# KiCad board DFTBoard.kicad_pcb (continued)
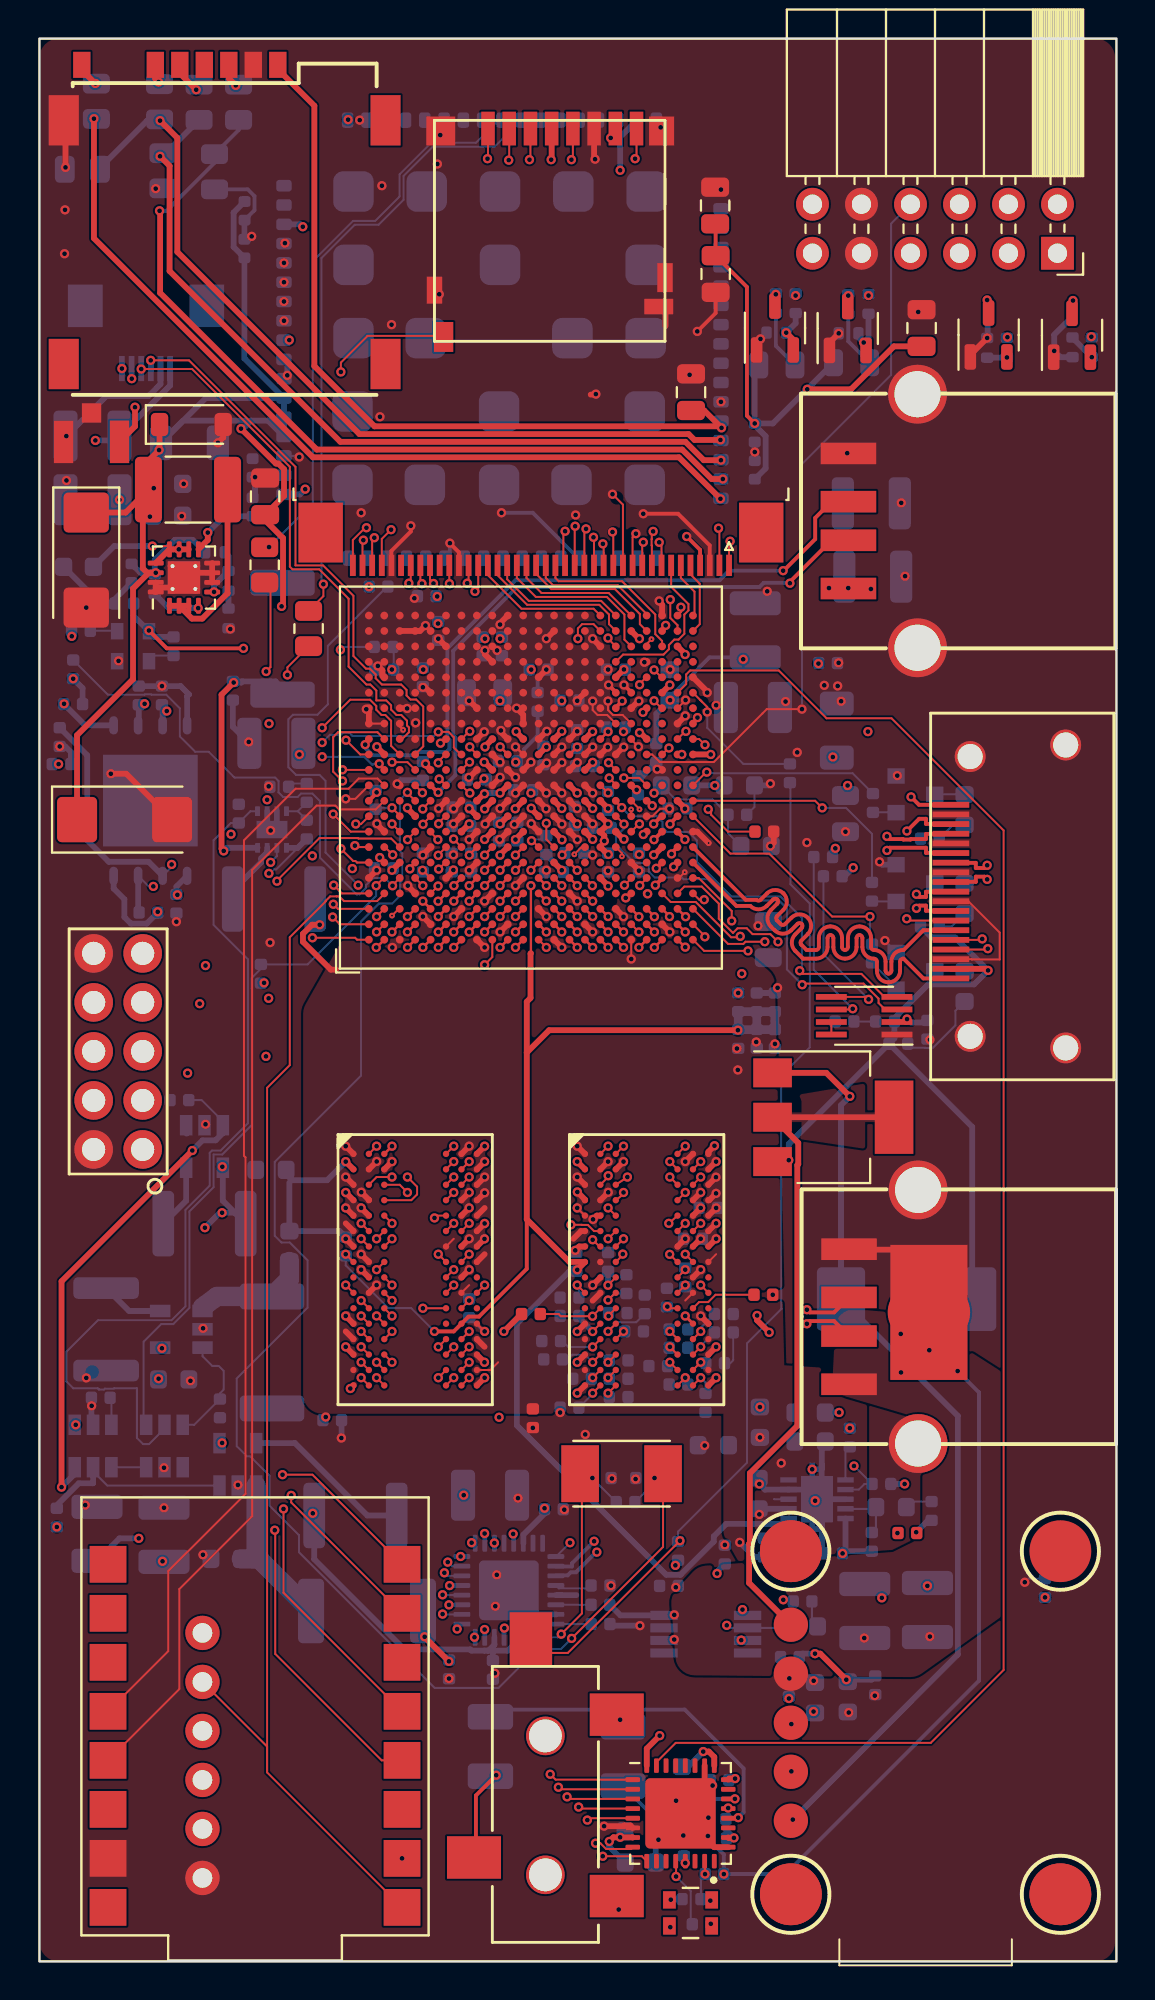
[diagram p0: board, top side]
## Routing (per net, layer and track width the routed paths; a pad name or vN(x,y) marks a point on that pad's centre or on a via; arc(x,y) is an arc through that point) (continued)
DDR3_A7: length 51.4
  TOP_GND w0.102: U16.R2 v1(16.68,31.05) ; 29.08,30.65 v1(28.68,30.25)
  TOP_GND w0.13: U20.J6 v1(23.08,56.55)
  SIGNAL2 w0.102: v1(28.68,30.25) 28.28,29.85 27.44,29.85 27.41,29.85 27.37,29.87 27.34,29.89 27.31,29.91 27.29,29.95 27.28,29.98 27.27,30.06 27.26,30.09 27.24,30.13 27.21,30.15 27.18,30.17 27.14,30.18 27.11,30.19 27.04,30.19 27.01,30.18 26.97,30.17 26.94,30.15 26.91,30.13 26.89,30.09 26.88,30.06 26.88,30.02 26.88,29.85 26.84,29.85 26.84,29.68 26.84,29.64 26.83,29.61 26.81,29.57 26.78,29.55 26.75,29.53 26.71,29.52 26.68,29.51 26.61,29.51 26.58,29.52 26.54,29.53 26.51,29.55 26.48,29.57 26.46,29.61 26.45,29.64 26.44,29.72 26.43,29.75 26.41,29.79 26.38,29.81 26.35,29.83 26.31,29.85 26.28,29.85 18.68,29.85 17.88,30.65 U16.R2 v1(16.68,31.05)
  SIGNAL4 w0.102: v1(23.08,56.55) 22.67,56.15 22.67,54.77 22.45,54.55 22.08,54.55 21.88,54.35 21.88,53.15 21.68,52.95 21.18,52.95 21.08,52.85 21.08,52.35 20.78,52.05 19.73,52.05 18.6,50.93 18.57,50.9 18.53,50.88 18.49,50.87 18.45,50.87 18.41,50.88 18.37,50.9 18.3,50.95 18.26,50.97 18.22,50.98 18.18,50.98 18.14,50.97 18.1,50.95 18.07,50.93 18.05,50.91 18.03,50.87 18.01,50.84 18,50.8 18,50.75 18.01,50.71 18.03,50.68 18.05,50.64 18.18,50.51 18.18,50.5 18.34,50.34 18.36,50.31 18.38,50.27 18.39,50.22 18.39,50.18 18.38,50.13 18.36,50.09 18.34,50.06 18.3,50.03 18.26,50.01 18.22,50 18.17,50 18.13,50.01 18.09,50.03 18.05,50.06 17.76,50.35 17.73,50.38 17.69,50.4 17.65,50.4 17.61,50.4 17.57,50.4 17.53,50.38 17.49,50.35 17.48,50.33 17.45,50.3 17.43,50.26 17.42,50.22 17.42,50.18 17.43,50.14 17.45,50.1 17.5,50.03 17.52,50 17.53,49.96 17.53,49.91 17.52,49.87 17.5,49.84 17.48,49.8 15.73,48.06 12.04,44.36 12.04,33.46 14.51,30.99 16.28,30.99 16.34,31.05 v1(16.68,31.05)
DDR3_A8: length 50.1
  TOP_GND w0.102: U16.T8 v1(22.28,30.25) ; U15.T8 v1(34.28,30.25)
  TOP_GND w0.13: U20.J5 v1(23.08,55.75)
  SIGNAL1 w0.102: v1(22.28,30.25) 21.88,30.65 21.73,30.65 20.93,31.45 20.28,31.45 18.68,33.05 17.25,33.05 17.08,33.23 17.08,33.68 16.9,33.85 16.5,33.85 16.28,34.08 16.28,45.55 20.54,49.82 20.57,49.85 20.59,49.89 20.6,49.94 20.6,49.98 20.59,50.03 20.57,50.07 20.54,50.1 20.47,50.17 20.44,50.21 20.43,50.25 20.42,50.29 20.42,50.34 20.43,50.38 20.44,50.42 20.47,50.46 20.51,50.48 20.55,50.5 20.59,50.51 20.64,50.51 20.68,50.5 20.72,50.48 20.76,50.46 21.06,50.15 21.08,50.14 21.1,50.12 21.13,50.12 21.16,50.12 21.19,50.12 21.21,50.14 21.23,50.15 21.34,50.26 21.36,50.28 21.37,50.31 21.37,50.33 21.37,50.36 21.37,50.39 21.36,50.42 21.34,50.44 21.04,50.74 21.01,50.77 20.99,50.81 20.98,50.86 20.98,50.9 20.99,50.95 21.01,50.99 21.04,51.02 21.07,51.05 21.11,51.07 21.16,51.08 21.2,51.08 21.25,51.07 21.29,51.05 21.32,51.02 21.39,50.95 21.43,50.92 21.47,50.9 21.51,50.89 21.56,50.89 21.6,50.9 21.64,50.92 21.68,50.95 21.88,51.15 21.88,55.15 22.08,55.35 22.68,55.35 v1(23.08,55.75)
  SIGNAL4 w0.102: v1(22.28,30.25) 22.68,29.85 31.12,29.85 31.17,29.86 31.21,29.87 31.25,29.89 31.28,29.93 31.31,29.96 31.32,30.01 31.33,30.05 31.33,30.12 31.33,30.17 31.34,30.21 31.37,30.25 31.4,30.28 31.44,30.3 31.48,30.32 31.53,30.32 31.57,30.32 31.61,30.3 31.65,30.28 31.68,30.25 31.71,30.21 31.72,30.17 31.72,30.12 31.72,30.05 31.73,30.01 31.74,29.96 31.77,29.93 31.8,29.89 31.84,29.87 31.88,29.86 31.93,29.85 U15.T8 v1(34.28,30.25)
  BOTTOM w0.102: v1(34.28,30.25) 34.53,30 R59.1
DDR3_A9: length 50.1
  TOP_GND w0.102: U16.R3 v1(17.48,31.05) ; U15.R3 v1(29.47,30.25)
  TOP_GND w0.13: U20.H5 v1(22.28,55.75)
  SIGNAL1 w0.102: v1(29.47,30.25) 29.08,29.85 27.48,29.85 26.78,29.15 26.58,29.15 26.55,29.15 26.52,29.16 26.5,29.18 26.48,29.19 26.47,29.22 26.46,29.24 26.46,29.29 26.45,29.32 26.43,29.34 26.41,29.36 26.39,29.37 26.37,29.38 26.34,29.38 26.18,29.38 26.15,29.38 26.12,29.37 26.1,29.36 26.08,29.34 26.07,29.32 26.06,29.29 26.06,29.24 26.05,29.22 26.03,29.19 26.01,29.18 25.99,29.16 25.97,29.15 25.94,29.15 19.38,29.15 v1(17.48,31.05)
  SIGNAL4 w0.102: v1(22.28,55.75) 21.87,55.35 21.87,54.76 21.67,54.56 21.26,54.56 21.08,54.38 21.08,53.93 20.9,53.75 20.4,53.75 19.48,52.83 19.48,52.45 19.47,52.45 19.47,52.36 18.56,51.45 18.15,51.45 11.53,44.83 11.53,33.3 14.18,30.65 17.08,30.65 v1(17.48,31.05)
DDR3_A10: length 52
  TOP_GND w0.102: v1(32.55,33.94) 32.63,33.85 33.08,33.85 ; U16.L7 v1(19.88,33.85)
  TOP_GND w0.13: U20.J3 v1(23.08,54.15)
  SIGNAL1 w0.102: v1(19.88,33.85) 20.12,33.6 20.12,33.45 20.05,33.38 19.75,33.38 18.48,34.65 18.1,34.65 17.88,34.88 17.88,38.43 18.68,39.23 18.68,40.05 18.88,40.25 19.48,40.25 19.95,40.73 19.95,41.28 19.94,41.32 19.93,41.36 19.91,41.4 19.87,41.43 19.84,41.46 19.79,41.47 19.75,41.48 19.65,41.48 19.61,41.48 19.56,41.49 19.53,41.52 19.49,41.55 19.47,41.59 19.46,41.63 19.45,41.68 19.46,41.72 19.47,41.76 19.49,41.8 19.53,41.83 19.56,41.86 19.61,41.87 19.65,41.88 20.25,41.88 20.29,41.88 20.34,41.89 20.37,41.92 20.41,41.95 20.43,41.99 20.44,42.03 20.45,42.08 20.44,42.12 20.43,42.16 20.41,42.2 20.37,42.23 20.34,42.26 20.29,42.27 20.25,42.28 19.65,42.28 19.61,42.28 19.56,42.29 19.53,42.32 19.49,42.35 19.47,42.39 19.46,42.43 19.45,42.48 19.46,42.52 19.47,42.56 19.49,42.6 19.53,42.63 19.56,42.66 19.61,42.67 19.65,42.68 20.25,42.68 20.29,42.68 20.34,42.69 20.37,42.72 20.41,42.75 20.43,42.79 20.44,42.83 20.45,42.88 20.44,42.92 20.43,42.96 20.41,43 20.37,43.03 20.34,43.06 20.29,43.07 20.25,43.08 19.65,43.08 19.61,43.08 19.56,43.09 19.53,43.12 19.49,43.15 19.47,43.19 19.46,43.23 19.45,43.28 19.46,43.32 19.47,43.36 19.49,43.4 19.53,43.43 19.56,43.46 19.61,43.47 19.65,43.48 20.25,43.48 20.29,43.48 20.34,43.49 20.37,43.52 20.41,43.55 20.43,43.59 20.44,43.63 20.45,43.68 20.44,43.72 20.43,43.76 20.41,43.8 20.37,43.83 20.34,43.86 20.29,43.87 20.25,43.88 19.65,43.88 19.61,43.88 19.56,43.89 19.53,43.92 19.49,43.95 19.47,43.99 19.46,44.03 19.45,44.08 19.46,44.12 19.47,44.16 19.49,44.2 19.53,44.23 19.56,44.26 19.61,44.27 19.65,44.28 20.25,44.28 20.29,44.28 20.34,44.29 20.37,44.32 20.41,44.35 20.43,44.39 20.44,44.43 20.45,44.48 20.44,44.52 20.43,44.56 20.41,44.6 20.37,44.63 20.34,44.66 20.29,44.67 20.25,44.68 19.65,44.68 19.61,44.68 19.56,44.69 19.53,44.72 19.49,44.75 19.47,44.79 19.46,44.83 19.45,44.88 19.46,44.92 19.47,44.96 19.49,45 19.53,45.03 19.56,45.06 19.61,45.07 19.65,45.08 20.25,45.08 20.29,45.08 20.34,45.09 20.37,45.12 20.41,45.15 20.43,45.19 20.44,45.23 20.45,45.28 20.44,45.32 20.43,45.36 20.41,45.4 20.37,45.43 20.34,45.46 20.29,45.47 20.25,45.48 19.65,45.48 19.61,45.48 19.56,45.49 19.53,45.52 19.49,45.55 19.47,45.59 19.46,45.63 19.45,45.68 19.46,45.72 19.47,45.76 19.49,45.8 19.53,45.83 19.56,45.86 19.61,45.87 19.65,45.88 20.25,45.88 20.29,45.88 20.34,45.89 20.37,45.92 20.41,45.95 20.43,45.99 20.44,46.03 20.45,46.08 20.44,46.12 20.43,46.16 20.41,46.2 20.37,46.23 20.34,46.26 20.29,46.27 20.25,46.28 19.65,46.28 19.61,46.28 19.56,46.29 19.53,46.32 19.49,46.35 19.47,46.39 19.46,46.43 19.45,46.48 19.46,46.52 19.47,46.56 19.49,46.6 19.53,46.63 19.56,46.66 19.61,46.67 19.65,46.68 19.75,46.68 19.79,46.68 19.84,46.69 19.87,46.72 19.91,46.75 19.93,46.79 19.94,46.83 19.95,46.88 19.95,47.02 23.48,50.54 23.48,53.75 v1(23.08,54.15)
  SIGNAL4 w0.102: v1(19.88,33.85) 20.68,34.65 28.3,34.62 28.31,34.64 28.86,34.64 29.07,34.43 29.07,34.09 29.31,33.85 32.12,33.85 32.21,33.94 v1(32.55,33.94)
DDR3_A11: length 49.8
  TOP_GND w0.102: U16.R7 v1(20.68,30.25) ; 33.08,30.65 v1(32.68,31.05)
  TOP_GND w0.13: v1(21.49,55.75) 21.49,55.76 U20.G5
  SIGNAL1 w0.102: v1(20.68,30.25) 19.08,31.85 17.48,31.85 17.08,32.25 15.08,32.25 14.73,32.6 14.73,34.1 14.73,34.12 14.73,34.14 14.74,34.15 14.76,34.17 14.77,34.18 14.79,34.18 14.83,34.19 14.84,34.19 14.86,34.2 14.87,34.21 14.88,34.23 14.89,34.25 14.89,34.27 14.89,34.5 14.89,34.52 14.88,34.54 14.87,34.55 14.86,34.57 14.84,34.58 14.83,34.58 14.79,34.59 14.77,34.59 14.76,34.6 14.74,34.61 14.73,34.63 14.73,34.65 14.73,34.67 14.73,46.25 18.67,50.19 18.7,50.23 18.72,50.27 18.73,50.31 18.73,50.36 18.72,50.4 18.7,50.44 18.67,50.48 18.66,50.48 18.63,50.52 18.61,50.56 18.6,50.6 18.6,50.65 18.61,50.69 18.63,50.73 18.66,50.77 18.7,50.79 18.74,50.81 18.78,50.82 18.83,50.82 18.87,50.81 18.91,50.79 18.94,50.77 19.28,50.43 19.31,50.41 19.35,50.39 19.4,50.38 19.44,50.38 19.48,50.39 19.52,50.41 19.56,50.43 19.59,50.47 19.61,50.51 19.62,50.55 19.62,50.6 19.61,50.64 19.59,50.68 19.56,50.72 19.23,51.05 19.2,51.08 19.18,51.12 19.17,51.17 19.17,51.21 19.18,51.26 19.2,51.3 19.23,51.33 19.26,51.36 19.3,51.38 19.35,51.39 19.39,51.39 19.43,51.38 19.47,51.36 19.51,51.33 19.52,51.33 19.55,51.3 19.59,51.28 19.64,51.27 19.68,51.27 19.72,51.28 19.76,51.3 19.8,51.33 20.28,51.8 20.28,54.35 20.48,54.55 20.93,54.55 21.09,54.71 21.09,55.35 v1(21.49,55.75)
  SIGNAL4 w0.102: v1(20.68,30.25) U16.R7 30.93,30.65 30.97,30.66 31.01,30.67 31.05,30.69 31.08,30.73 31.11,30.76 31.12,30.81 31.12,30.85 31.12,30.92 31.13,30.97 31.14,31.01 31.17,31.05 31.2,31.08 31.24,31.1 31.28,31.12 31.33,31.12 31.37,31.12 31.41,31.1 31.45,31.08 31.48,31.05 31.51,31.01 31.52,30.97 31.53,30.92 31.53,30.85 31.53,30.81 31.54,30.76 31.57,30.73 31.6,30.69 31.64,30.67 31.68,30.66 31.72,30.65 32.28,30.65 v1(32.68,31.05)
DDR3_A12: length 49.8
  TOP_GND w0.102: U16.N7 v1(20.68,31.85) ; v1(32.68,32.65) 33.08,32.26
  TOP_GND w0.13: U20.H4 v1(22.28,54.95)
  SIGNAL1 w0.102: v1(22.28,54.95) 22.68,54.55 22.68,51.25 18.98,47.56 18.96,47.52 18.94,47.48 18.93,47.44 18.93,47.4 18.94,47.35 18.96,47.31 19.01,47.24 19.03,47.2 19.04,47.16 19.04,47.11 19.03,47.07 19.01,47.03 18.98,46.99 18.95,46.97 18.91,46.95 18.87,46.94 18.82,46.94 18.78,46.95 18.74,46.97 18.7,46.99 18.47,47.22 18.45,47.24 18.42,47.25 18.4,47.26 18.37,47.26 18.34,47.25 18.32,47.24 18.29,47.22 18.19,47.12 18.17,47.1 18.16,47.07 18.15,47.04 18.15,47.01 18.16,46.99 18.17,46.96 18.19,46.94 18.49,46.64 18.52,46.6 18.54,46.56 18.55,46.52 18.55,46.48 18.54,46.43 18.52,46.39 18.49,46.36 18.45,46.33 18.41,46.31 18.37,46.3 18.33,46.3 18.28,46.31 18.24,46.33 18.21,46.36 17.91,46.66 17.88,46.68 17.86,46.69 17.83,46.69 17.8,46.69 17.78,46.69 17.75,46.68 17.73,46.66 17.62,46.55 17.61,46.53 17.59,46.5 17.59,46.48 17.59,46.45 17.59,46.42 17.61,46.4 17.62,46.37 17.92,46.07 17.95,46.04 17.97,46 17.98,45.96 17.98,45.91 17.97,45.87 17.95,45.83 17.92,45.79 17.89,45.76 17.85,45.74 17.8,45.73 17.76,45.73 17.72,45.74 17.68,45.76 17.64,45.79 17.57,45.86 17.53,45.89 17.49,45.91 17.45,45.92 17.41,45.92 17.36,45.91 17.32,45.89 17.29,45.86 17.08,45.65 17.08,45.4 17.07,45.36 17.06,45.31 17.03,45.28 17,45.24 16.96,45.22 16.92,45.21 16.88,45.2 16.78,45.2 16.73,45.19 16.69,45.18 16.65,45.16 16.62,45.12 16.59,45.09 16.58,45.04 16.58,45 16.58,44.96 16.59,44.91 16.62,44.88 16.65,44.84 16.69,44.82 16.73,44.81 16.78,44.8 17.38,44.8 17.42,44.79 17.46,44.78 17.5,44.76 17.53,44.72 17.56,44.69 17.57,44.64 17.58,44.6 17.57,44.56 17.56,44.51 17.53,44.48 17.5,44.44 17.46,44.42 17.42,44.41 17.38,44.4 16.78,44.4 16.73,44.39 16.69,44.38 16.65,44.36 16.62,44.32 16.59,44.29 16.58,44.24 16.58,44.2 16.58,44.16 16.59,44.11 16.62,44.08 16.65,44.04 16.69,44.02 16.73,44.01 16.78,44 17.38,44 17.42,43.99 17.46,43.98 17.5,43.96 17.53,43.92 17.56,43.89 17.57,43.84 17.58,43.8 17.57,43.76 17.56,43.71 17.53,43.68 17.5,43.64 17.46,43.62 17.42,43.61 17.38,43.6 16.78,43.6 16.73,43.59 16.69,43.58 16.65,43.56 16.62,43.52 16.59,43.49 16.58,43.44 16.58,43.4 16.58,43.36 16.59,43.31 16.62,43.28 16.65,43.24 16.69,43.22 16.73,43.21 16.78,43.2 17.38,43.2 17.42,43.19 17.46,43.18 17.5,43.16 17.53,43.12 17.56,43.09 17.57,43.04 17.58,43 17.57,42.96 17.56,42.91 17.53,42.88 17.5,42.84 17.46,42.82 17.42,42.81 17.38,42.8 17.28,42.8 17.23,42.79 17.19,42.78 17.15,42.76 17.12,42.72 17.09,42.69 17.08,42.64 17.08,42.6 17.08,34.68 17.9,33.85 18.68,33.85 v1(20.68,31.85)
  SIGNAL2 w0.102: v1(32.68,32.65) 32.27,32.24 28.87,32.24 28.86,32.24 28.48,32.24 28.46,32.25 25.33,32.25 25.28,32.26 25.24,32.27 25.2,32.29 25.17,32.33 25.14,32.36 25.13,32.41 25.12,32.45 25.12,32.51 25.12,32.56 25.11,32.6 25.08,32.64 25.05,32.67 25.01,32.69 24.97,32.71 24.93,32.71 24.88,32.71 24.84,32.69 24.8,32.67 24.77,32.64 24.74,32.6 24.73,32.56 24.73,32.51 24.73,32.45 24.72,32.41 24.71,32.36 24.68,32.33 24.65,32.29 24.61,32.27 24.57,32.26 24.53,32.25 U16.N7 v1(20.68,31.85)
DDR3_A13: length 45.6
  TOP_GND w0.102: U16.T3 v1(17.48,30.25) ; U15.T3 v1(29.47,29.45)
  TOP_GND w0.13: v1(20.66,54.95) 20.67,54.95 U20.F4
  SIGNAL1 w0.102: v1(20.66,54.95) 20.57,54.95 20.18,54.55 19.62,54.55 19.48,54.4 19.48,51.95 18,50.48 17.97,50.45 17.93,50.43 17.89,50.42 17.85,50.42 17.81,50.43 17.77,50.45 17.71,50.5 17.67,50.52 17.63,50.53 17.59,50.53 17.55,50.52 17.51,50.5 17.48,50.48 17.46,50.45 17.43,50.42 17.41,50.38 17.4,50.34 17.4,50.3 17.41,50.26 17.43,50.22 17.46,50.19 17.59,50.06 17.58,50.05 17.69,49.94 17.71,49.91 17.73,49.88 17.73,49.84 17.73,49.81 17.73,49.77 17.71,49.74 17.69,49.71 17.63,49.65 17.6,49.63 17.57,49.62 17.54,49.61 13.95,46.03 13.95,32.41 16.51,29.85 17.08,29.85 v1(17.48,30.25) 18.89,28.84 28.86,28.84 v1(29.47,29.45)
DDR3_A14: length 49.1
  TOP_GND w0.102: U16.T7 v1(21.48,30.25) ; 33.08,29.85 v1(33.47,30.25)
  TOP_GND w0.13: U20.G4 21.48,54.95 v1(21.48,54.95)
  SIGNAL1 w0.102: v1(21.48,54.95) 21.48,54.82 21.08,54.41 21.08,51.35 19.58,49.85 19.54,49.82 19.5,49.8 19.46,49.79 19.41,49.79 19.37,49.8 19.33,49.82 19.29,49.85 19.23,49.92 19.19,49.94 19.15,49.96 19.11,49.97 19.06,49.97 19.02,49.96 18.98,49.94 18.94,49.92 18.91,49.88 18.9,49.84 18.89,49.8 18.89,49.75 18.9,49.71 18.91,49.67 18.94,49.63 19.36,49.22 19.39,49.18 19.41,49.14 19.42,49.1 19.42,49.05 19.41,49.01 19.39,48.97 19.36,48.93 19.32,48.91 19.28,48.89 19.24,48.88 19.2,48.88 19.15,48.89 19.11,48.91 19.08,48.93 18.66,49.35 18.62,49.38 18.58,49.4 18.54,49.41 18.5,49.41 18.45,49.4 18.41,49.38 18.38,49.35 18.35,49.32 18.33,49.28 18.32,49.23 18.32,49.19 18.33,49.14 18.35,49.1 18.38,49.07 18.44,49 18.47,48.97 18.49,48.93 18.5,48.88 18.5,48.84 18.49,48.79 18.47,48.75 18.44,48.72 15.4,45.68 15.4,34.47 15.4,34.44 15.41,34.41 15.43,34.39 15.45,34.37 15.47,34.36 15.49,34.35 15.52,34.34 15.62,34.34 15.65,34.34 15.68,34.33 15.7,34.32 15.72,34.3 15.73,34.28 15.74,34.25 15.74,34.23 15.74,34.06 15.74,34.04 15.73,34.01 15.72,33.99 15.7,33.97 15.68,33.96 15.65,33.95 15.62,33.95 15.52,33.95 15.49,33.94 15.47,33.93 15.45,33.92 15.43,33.9 15.41,33.88 15.4,33.85 15.4,33.83 15.4,33.34 15.69,33.06 16.85,33.06 17.66,32.25 18.98,32.25 20.12,31.1 20.62,31.1 v1(21.48,30.25)
  SIGNAL2 w0.102: v1(33.47,30.25) 33.08,30.65 25.48,30.65 25.43,30.66 25.39,30.67 25.35,30.69 25.32,30.73 25.29,30.76 25.28,30.81 25.28,30.85 25.28,30.92 25.27,30.97 25.26,31.01 25.23,31.05 25.2,31.08 25.16,31.1 25.12,31.12 25.08,31.12 25.03,31.12 24.99,31.1 24.95,31.08 24.92,31.05 24.89,31.01 24.88,30.97 24.88,30.92 24.88,30.85 24.87,30.81 24.86,30.76 24.83,30.73 24.8,30.69 24.76,30.67 24.72,30.66 24.68,30.65 21.88,30.65 v1(21.48,30.25)
  BOTTOM w0.102: 33.61,30.12 v1(33.47,30.25)
DDR3_BA0: length 51.3
  TOP_GND w0.102: U16.M2 v1(16.68,33.45) ; 29.08,33.05 28.68,32.65 v1(28.68,32.64)
  TOP_GND w0.13: v1(24.67,57.33) 24.67,57.35 U20.L7
  SIGNAL4 w0.102: v1(24.67,57.33) 25.08,56.93 25.08,52.37 23.55,50.84 22.37,50.84 22.08,50.55 22.04,50.52 22,50.5 21.96,50.49 21.92,50.49 21.87,50.5 21.83,50.52 21.77,50.58 21.73,50.6 21.68,50.61 21.64,50.61 21.6,50.6 21.56,50.58 21.52,50.55 21.38,50.4 21.35,50.37 21.33,50.33 21.32,50.29 21.32,50.24 21.33,50.2 21.35,50.16 21.38,50.13 21.51,49.99 21.51,49.98 21.65,49.85 21.67,49.81 21.69,49.77 21.7,49.73 21.7,49.69 21.69,49.64 21.67,49.61 21.65,49.57 21.5,49.42 21.46,49.4 21.42,49.38 21.38,49.37 21.34,49.37 21.3,49.38 21.26,49.4 21.22,49.42 20.95,49.7 20.91,49.73 20.87,49.74 20.83,49.75 20.79,49.75 20.75,49.74 20.71,49.73 20.67,49.7 20.52,49.55 20.5,49.52 20.48,49.48 20.47,49.43 20.47,49.39 20.48,49.35 20.5,49.31 20.52,49.27 20.8,49 20.83,48.96 20.84,48.92 20.85,48.88 20.85,48.84 20.84,48.8 20.83,48.76 20.8,48.72 20.65,48.57 20.62,48.55 20.58,48.53 20.53,48.52 20.49,48.52 20.45,48.53 20.41,48.55 20.37,48.57 20.1,48.85 20.06,48.88 20.03,48.9 19.98,48.91 19.94,48.91 19.9,48.9 19.86,48.88 19.82,48.85 19.67,48.7 19.65,48.67 19.63,48.63 19.62,48.58 19.62,48.54 19.63,48.5 19.65,48.46 19.67,48.43 19.95,48.15 19.98,48.12 20,48.08 20.01,48.03 20.01,47.99 20,47.95 19.98,47.91 19.95,47.87 19.8,47.73 19.77,47.7 19.73,47.68 19.69,47.67 19.64,47.67 19.6,47.68 19.56,47.7 19.49,47.75 19.45,47.77 19.41,47.78 19.37,47.78 19.32,47.77 19.28,47.75 19.25,47.73 18.38,46.85 13.93,42.4 13.93,34.05 14.93,33.05 16.28,33.05 v1(16.68,33.45) 17.62,32.5 17.84,32.5 18.09,32.25 24.03,32.25 24.43,31.85 26.53,31.85 26.93,32.25 28.28,32.25 v1(28.68,32.64)
  BOTTOM w0.3: 27.96,33.36 v1(28.68,32.64)
DDR3_BA1: length 49.9
  TOP_GND w0.102: U15.N8 v1(34.28,32.65) ; U16.N8 v1(22.28,32.65)
  TOP_GND w0.13: U20.L6 v1(24.68,56.55)
  SIGNAL1 w0.102: v1(34.28,32.65) 33.88,33.04 32.86,33.04 32.07,33.84 28.29,33.84 28.27,33.86 24.18,33.86 23.37,33.04 22.67,33.04 v1(22.28,32.65) 22.28,33.67 20.23,35.72 20.23,37.6 21.28,38.65 24.18,38.65 25.05,39.53 25.05,47.18 25.06,47.22 25.07,47.26 25.09,47.3 25.13,47.33 25.16,47.36 25.21,47.37 25.25,47.38 25.32,47.38 25.37,47.38 25.41,47.39 25.45,47.42 25.48,47.45 25.5,47.49 25.52,47.53 25.52,47.58 25.52,47.62 25.5,47.66 25.48,47.7 25.45,47.73 25.41,47.76 25.37,47.77 25.32,47.78 24.78,47.78 24.73,47.78 24.69,47.79 24.65,47.82 24.62,47.85 24.6,47.89 24.58,47.93 24.58,47.98 24.58,48.02 24.6,48.06 24.62,48.1 24.65,48.13 24.69,48.16 24.73,48.17 24.78,48.18 25.32,48.18 25.37,48.18 25.41,48.19 25.45,48.22 25.48,48.25 25.5,48.29 25.52,48.33 25.52,48.38 25.52,48.42 25.5,48.46 25.48,48.5 25.45,48.53 25.41,48.56 25.37,48.57 25.32,48.58 24.78,48.58 24.73,48.58 24.69,48.59 24.65,48.62 24.62,48.65 24.6,48.69 24.58,48.73 24.58,48.78 24.58,48.82 24.6,48.86 24.62,48.9 24.65,48.93 24.69,48.96 24.73,48.97 24.78,48.98 24.85,48.98 24.89,48.98 24.94,48.99 24.97,49.02 25.01,49.05 25.03,49.09 25.04,49.13 25.05,49.18 25.05,49.32 25.88,50.15 25.88,55.2 26.03,55.35 26.53,55.35 26.68,55.5 26.68,56.05 26.58,56.15 25.21,56.15 24.81,56.55 v1(24.68,56.55)
  BOTTOM w0.102: R67.1 34.28,32.84 v1(34.28,32.65)
DDR3_BA2: length 52.2
  TOP_GND w0.102: U16.M3 v1(17.48,33.45) ; U15.M3 v1(29.47,32.65)
  TOP_GND w0.13: U20.M6 v1(25.48,56.55)
  SIGNAL2 w0.102: v1(29.47,32.65) 29.08,33.04 27.17,33.04 26.91,33.3 23.51,33.3 23.25,33.04 17.88,33.04 v1(17.48,33.45)
  SIGNAL4 w0.102: v1(17.48,33.45) 17.08,33.85 14.78,33.85 14.43,34.2 14.43,36.95 15.12,37.65 15.12,42.7 16.5,44.07 16.53,44.11 16.54,44.15 16.55,44.19 16.55,44.24 16.54,44.28 16.53,44.32 16.47,44.39 16.45,44.43 16.44,44.47 16.44,44.52 16.45,44.56 16.47,44.6 16.5,44.64 16.64,44.78 16.67,44.81 16.71,44.83 16.76,44.84 16.8,44.84 16.85,44.83 16.89,44.81 16.92,44.78 17.24,44.46 17.28,44.43 17.33,44.4 17.39,44.39 17.44,44.39 17.5,44.4 17.55,44.43 17.59,44.46 17.66,44.53 17.7,44.58 17.72,44.63 17.74,44.68 17.74,44.74 17.72,44.79 17.7,44.84 17.66,44.89 17.35,45.2 17.32,45.24 17.3,45.28 17.29,45.32 17.29,45.37 17.3,45.41 17.32,45.45 17.35,45.49 17.49,45.63 17.52,45.66 17.56,45.68 17.61,45.69 17.65,45.69 17.69,45.68 17.74,45.66 17.77,45.63 18.09,45.31 18.13,45.27 18.18,45.25 18.24,45.24 18.29,45.24 18.35,45.25 18.4,45.27 18.44,45.31 18.51,45.38 18.55,45.42 18.57,45.47 18.58,45.53 18.58,45.59 18.57,45.64 18.55,45.69 18.51,45.73 18.19,46.05 18.17,46.09 18.15,46.13 18.14,46.17 18.14,46.22 18.15,46.26 18.17,46.3 18.19,46.34 18.34,46.48 18.37,46.5 18.41,46.52 18.45,46.53 18.5,46.53 18.54,46.52 18.58,46.5 18.62,46.48 18.94,46.16 18.98,46.12 19.03,46.1 19.09,46.09 19.14,46.09 19.2,46.1 19.25,46.12 19.29,46.16 19.36,46.23 19.4,46.27 19.42,46.32 19.43,46.38 19.43,46.43 19.42,46.49 19.4,46.54 19.36,46.58 19.04,46.9 19.01,46.94 19,46.98 18.99,47.02 18.99,47.06 19,47.11 19.01,47.15 19.04,47.18 19.18,47.33 19.22,47.35 19.26,47.37 19.3,47.38 19.35,47.38 19.39,47.37 19.43,47.35 19.5,47.3 19.54,47.28 19.59,47.27 19.63,47.27 19.67,47.28 19.71,47.3 19.75,47.33 23.07,50.64 23.68,50.64 25.48,52.44 25.48,55.1 25.88,55.5 25.88,56.14 v1(25.48,56.55)
  BOTTOM w0.102: v1(29.47,32.65) 29.95,33.13 30.94,33.13 R68.1
DDR3_CAS#: length 51.9
  TOP_GND w0.102: U16.K3 v1(18.28,34.25) ; 29.85,34.65 v1(29.47,34.28)
  TOP_GND w0.13: U20.P3 v1(27.88,54.15)
  SIGNAL2 w0.102: v1(18.28,34.25) 20.18,34.25 20.57,33.86 22.46,33.86 22.76,34.15 23.93,34.15 23.96,34.15 23.99,34.14 24.02,34.12 24.04,34.09 24.06,34.07 24.07,34.03 24.08,33.97 24.09,33.93 24.11,33.91 24.13,33.88 24.16,33.86 24.19,33.85 24.23,33.85 24.33,33.85 24.36,33.85 24.39,33.86 24.42,33.88 24.44,33.91 24.46,33.93 24.47,33.97 24.48,34 24.48,34.35 24.48,34.39 24.49,34.44 24.52,34.47 24.55,34.51 24.59,34.53 24.63,34.54 24.68,34.55 24.72,34.54 24.76,34.53 24.8,34.51 24.83,34.47 24.86,34.44 24.87,34.39 24.88,34.31 24.89,34.26 24.92,34.23 24.95,34.19 24.99,34.17 25.03,34.16 25.08,34.15 26.2,34.15 26.23,34.15 26.26,34.16 26.29,34.18 26.31,34.2 26.33,34.23 26.34,34.26 26.34,34.32 26.35,34.34 26.37,34.37 26.39,34.39 26.42,34.41 26.44,34.42 26.48,34.42 26.6,34.42 26.63,34.42 26.66,34.41 26.69,34.39 26.71,34.37 26.73,34.34 26.74,34.32 26.74,34.26 26.75,34.23 26.77,34.2 26.79,34.18 26.82,34.16 26.84,34.15 26.88,34.15 27.03,34.15 27.33,33.85 28.72,33.85 29.05,33.85 v1(29.47,34.28)
  SIGNAL4 w0.102: v1(27.88,54.15) 28.28,53.75 28.28,51.05 25.62,48.4 25.58,48.37 25.53,48.34 25.48,48.33 25.43,48.33 25.37,48.34 25.32,48.37 25.24,48.43 25.19,48.46 25.14,48.47 25.08,48.47 25.03,48.46 24.98,48.43 24.94,48.4 24.86,48.32 24.82,48.28 24.8,48.23 24.79,48.17 24.79,48.12 24.8,48.07 24.82,48.02 24.86,47.98 25.03,47.8 25.02,47.8 25.2,47.63 25.23,47.59 25.25,47.54 25.26,47.48 25.26,47.43 25.25,47.38 25.23,47.33 25.2,47.29 25.11,47.2 25.07,47.17 25.02,47.15 24.97,47.13 24.92,47.13 24.86,47.15 24.81,47.17 24.77,47.2 24.43,47.55 24.39,47.58 24.34,47.6 24.28,47.62 24.23,47.62 24.18,47.6 24.13,47.58 24.09,47.55 24,47.46 23.97,47.42 23.95,47.37 23.93,47.32 23.93,47.27 23.95,47.21 23.97,47.16 24,47.12 24.35,46.78 24.38,46.74 24.4,46.69 24.42,46.64 24.42,46.58 24.4,46.53 24.38,46.48 24.35,46.44 24.26,46.35 24.22,46.32 24.17,46.3 24.12,46.29 24.07,46.29 24.01,46.3 23.96,46.32 23.92,46.35 23.58,46.7 23.54,46.73 23.49,46.75 23.44,46.77 23.38,46.77 23.33,46.75 23.28,46.73 23.24,46.7 23.16,46.62 23.12,46.57 23.1,46.52 23.09,46.47 23.09,46.42 23.1,46.36 23.12,46.32 23.16,46.27 23.5,45.93 23.53,45.89 23.56,45.84 23.57,45.79 23.57,45.73 23.56,45.68 23.53,45.63 23.5,45.59 23.42,45.51 23.37,45.47 23.33,45.45 23.27,45.44 23.22,45.44 23.17,45.45 23.12,45.47 23.07,45.51 22.73,45.85 22.69,45.88 22.64,45.91 22.59,45.92 22.53,45.92 22.48,45.91 22.43,45.88 22.39,45.85 22.31,45.77 22.27,45.72 22.25,45.68 22.24,45.62 22.24,45.57 22.25,45.52 22.27,45.47 22.31,45.42 22.65,45.08 22.68,45.04 22.71,44.99 22.72,44.94 22.72,44.88 22.71,44.83 22.68,44.78 22.65,44.74 22.57,44.66 22.53,44.62 22.48,44.6 22.42,44.59 22.37,44.59 22.32,44.6 22.27,44.62 22.23,44.66 21.88,45 21.84,45.03 21.79,45.06 21.74,45.07 21.68,45.07 21.63,45.06 21.58,45.03 21.54,45 21.46,44.92 21.42,44.88 21.4,44.83 21.39,44.77 21.39,44.72 21.4,44.67 21.42,44.62 21.46,44.58 21.8,44.23 21.83,44.19 21.86,44.14 21.87,44.09 21.87,44.04 21.86,43.98 21.83,43.93 21.8,43.89 21.72,43.81 21.68,43.78 21.63,43.75 21.58,43.74 21.52,43.74 21.47,43.75 21.42,43.78 21.38,43.81 21.03,44.15 20.99,44.19 20.94,44.21 20.89,44.22 20.84,44.22 20.78,44.21 20.73,44.19 20.69,44.15 20.61,44.07 20.58,44.03 20.55,43.98 20.54,43.93 20.54,43.87 20.55,43.82 20.58,43.77 20.64,43.69 20.67,43.64 20.68,43.58 20.68,43.53 20.67,43.48 20.64,43.43 20.61,43.39 19.78,42.56 19.78,42.24 19.79,42.21 19.8,42.18 19.82,42.16 19.84,42.13 19.86,42.12 19.89,42.11 19.93,42.1 20.07,42.1 20.07,42.09 20.31,42.09 20.36,42.09 20.42,42.07 20.46,42.04 20.5,42 20.53,41.96 20.55,41.91 20.55,41.85 20.55,41.74 20.55,41.68 20.53,41.63 20.5,41.58 20.46,41.55 20.42,41.52 20.36,41.5 20.31,41.49 19.93,41.49 19.89,41.49 19.86,41.48 19.84,41.46 19.82,41.44 19.8,41.41 19.79,41.38 19.78,41.35 19.78,41.04 19.79,41 19.8,40.97 19.82,40.95 19.84,40.92 19.86,40.91 19.89,40.9 19.93,40.89 20.31,40.89 20.36,40.89 20.42,40.87 20.46,40.84 20.5,40.8 20.53,40.76 20.55,40.71 20.55,40.65 20.55,40.54 20.55,40.48 20.53,40.43 20.5,40.38 20.46,40.35 20.42,40.32 20.36,40.3 20.31,40.29 19.93,40.29 19.89,40.29 19.86,40.28 19.84,40.26 19.82,40.24 19.8,40.21 19.79,40.18 19.78,40.15 19.78,39.84 19.79,39.8 19.8,39.77 19.82,39.75 19.84,39.72 19.86,39.71 19.89,39.7 19.93,39.69 20.31,39.69 20.36,39.69 20.42,39.67 20.46,39.64 20.5,39.6 20.53,39.56 20.55,39.51 20.55,39.45 20.55,39.34 20.55,39.28 20.53,39.23 20.5,39.18 20.46,39.15 20.42,39.12 20.36,39.1 20.26,39.09 20.21,39.07 20.16,39.04 20.12,39 20.09,38.96 20.07,38.91 20.07,38.85 20.07,37.64 17.88,35.45 U16.K3 v1(18.28,34.25)
  BOTTOM w0.102: v1(29.47,34.28) 29.81,34.62 R70.1
DDR3_CK_N: length 48.3
  TOP_GND w0.102: 33.08,34.65 v1(33.47,35.05) ; U16.K7 v1(21.48,35.05)
  TOP_GND w0.13: U20.N5 v1(27.08,55.75)
  SIGNAL1 w0.102: v1(27.08,55.75) 27.08,55.61 26.68,55.21 26.68,51.64 26.67,51.63 26.67,50.55 26.08,49.96 26.08,44.95 26.07,44.94 26.07,44.92 26.06,44.91 26.05,44.9 26.03,44.89 26.02,44.88 26,44.88 25.88,44.88 25.83,44.87 25.77,44.86 25.72,44.82 25.68,44.78 25.65,44.73 25.63,44.68 25.62,44.62 25.62,44.34 25.63,44.28 25.65,44.22 25.68,44.18 25.72,44.13 25.77,44.1 25.83,44.08 25.88,44.08 26.53,44.08 26.56,44.07 26.59,44.06 26.62,44.04 26.64,44.02 26.66,43.99 26.67,43.96 26.68,43.93 26.68,43.83 26.67,43.8 26.66,43.76 26.64,43.74 26.62,43.71 26.59,43.7 26.56,43.68 26.53,43.68 25.8,43.68 25.73,43.67 25.66,43.65 25.6,43.61 25.55,43.56 25.51,43.49 25.48,43.42 25.47,43.35 25.47,43.21 25.48,43.13 25.51,43.06 25.55,43 25.6,42.95 25.66,42.91 25.73,42.89 25.8,42.88 26.53,42.88 26.56,42.87 26.59,42.86 26.62,42.84 26.64,42.82 26.66,42.79 26.67,42.76 26.68,42.73 26.68,42.63 26.67,42.6 26.66,42.56 26.64,42.54 26.62,42.51 26.59,42.5 26.56,42.48 26.53,42.48 25.8,42.48 25.73,42.47 25.66,42.45 25.6,42.41 25.55,42.36 25.51,42.29 25.48,42.22 25.47,42.15 25.47,42.01 25.48,41.93 25.51,41.86 25.55,41.8 25.6,41.75 25.66,41.71 25.73,41.69 25.8,41.68 26.53,41.68 26.56,41.67 26.59,41.66 26.62,41.64 26.64,41.62 26.66,41.59 26.67,41.56 26.68,41.53 26.68,41.43 26.67,41.4 26.66,41.36 26.64,41.34 26.62,41.31 26.59,41.3 26.56,41.28 26.53,41.28 25.8,41.28 25.73,41.27 25.66,41.25 25.6,41.21 25.55,41.16 25.51,41.09 25.48,41.02 25.47,40.95 25.47,40.81 25.48,40.73 25.51,40.66 25.55,40.6 25.6,40.55 25.66,40.51 25.73,40.49 25.8,40.48 26.53,40.48 26.56,40.47 26.59,40.46 26.62,40.44 26.64,40.42 26.66,40.39 26.67,40.36 26.68,40.33 26.68,40.23 26.67,40.2 26.66,40.16 26.64,40.14 26.62,40.11 26.59,40.1 26.56,40.08 26.53,40.08 26.41,40.08 26.33,40.07 26.26,40.05 26.2,40.01 26.15,39.96 26.11,39.89 26.08,39.82 26.08,39.75 26.08,38 25.93,37.85 21.28,37.85 21.08,37.65 21.08,35.45 v1(21.48,35.05) 21.88,35.45 22.48,35.45 23.05,36.03 23.35,36.03 23.56,36.24 28.87,36.24 29.36,35.75 32.44,35.75 33.14,35.05 v1(33.47,35.05)